# Altium PCB 2-quilter-output.PcbDoc (part 22 of 26)
Units mil, origin at the board's own origin, x right, y up, seen from the top; angles counter-clockwise.
Board outline 4130.55 x 4250 mil, 8 copper layers (L1, Ground L2, L3, Power L4, Ground L5, L6, Ground L7, L8), stack 62.985 mil thick; 591 components, 494 nets, 2245 pads, 1508 vias.
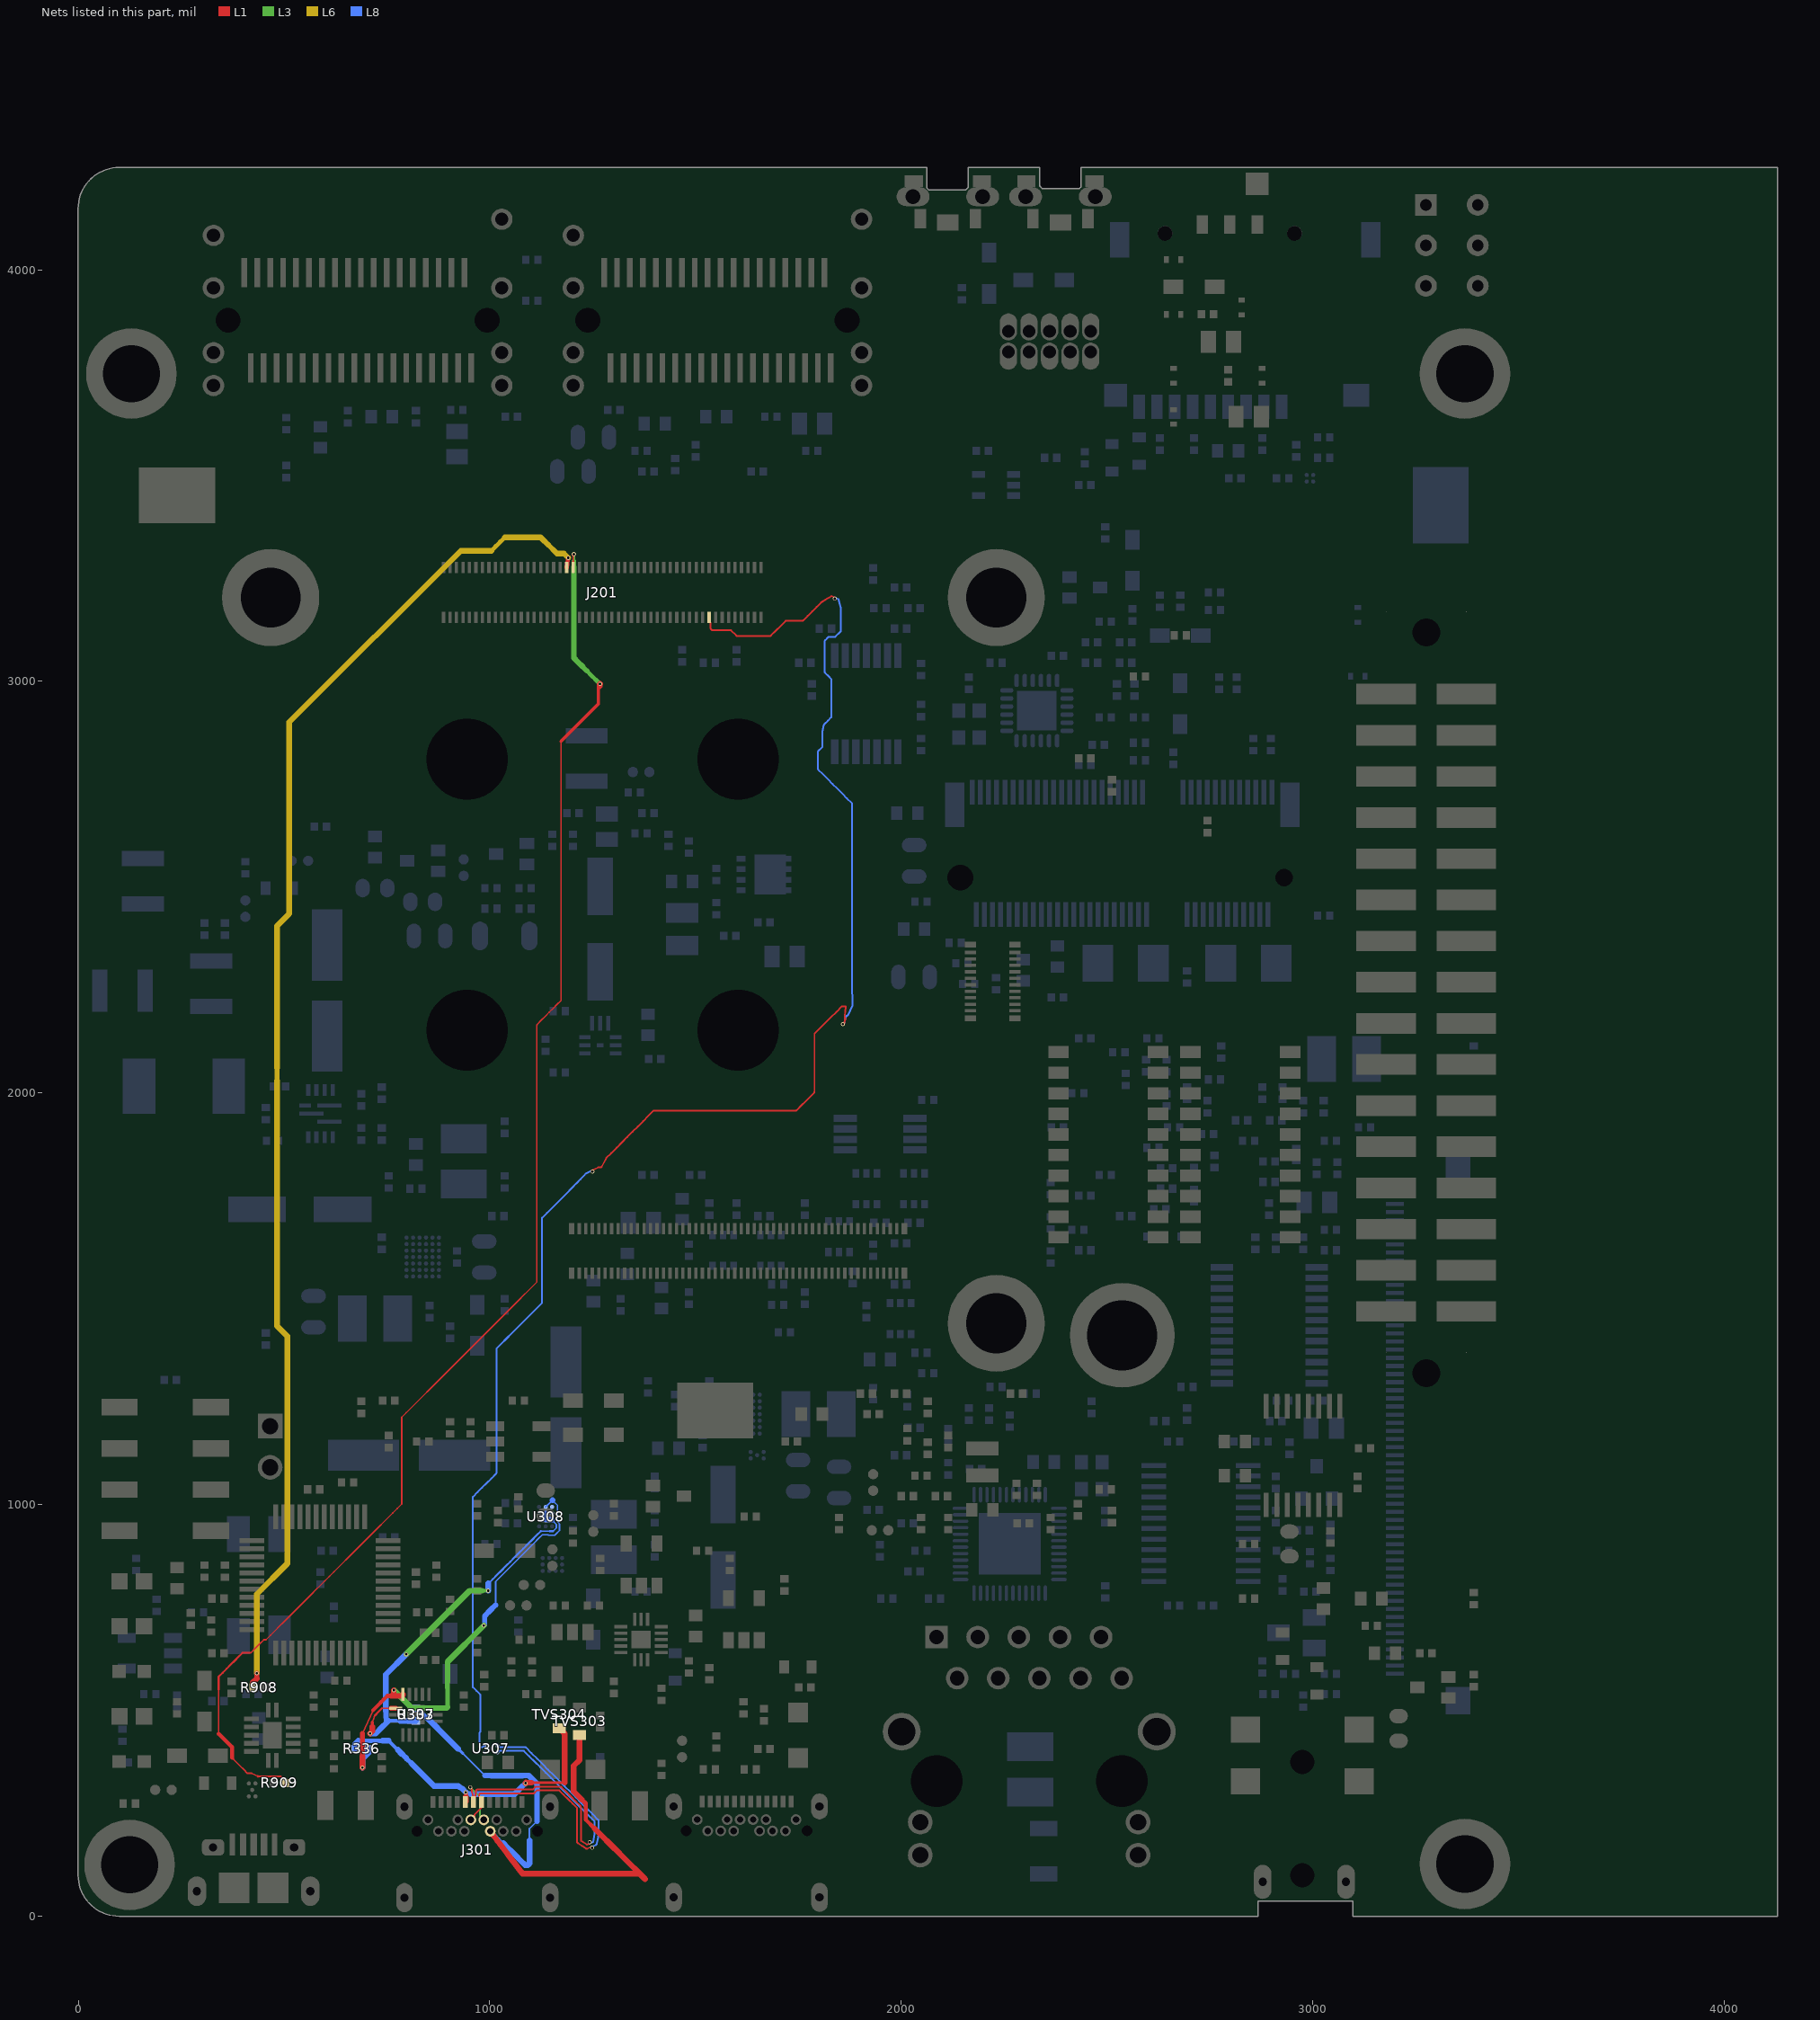
[diagram p28: the nets of this part, all layers, seen from the top]

## Via types
v1: diameter 9.85, hole 5.91, L1 to L8, tented both sides, 1508 vias

## Nets (pads, with @x,y where several pads share a name; then routed paths per layer and width w, separated by ;. In a path a pad name is that pad's centre, name@x,y a point inside that pad or via, vN(x,y) a via of type N, cw(c..) or ccw(c..) an arc to the next point about the centre after c; other vN are vias at no path point) (continued)
UART4_RXD: J201.40 R908.2 | length 3312.5
  L1 w7.92: v1@1189.84,3296.15 1191.11,3297.42 v1(1191.11,3300.04)
  L1 w9.96: J201.40@1188.43,3286.28 v1@1189.84,3296.15
  L1 w10.99: J201.40@1187.02,3276.42 J201.40@1188.43,3286.28
  L1 w12.01: 434,576.65 v1(434,589.58)
  L1 w14.05: R908.2@424.47,554.96 424.47,567.12 434,576.65
  L6 w10.99: 1004.04,3317.31 1014.97,3328.23 1025.89,3339.15 1036.81,3350.08
  L6 w12.01: 482.81,2029.04 482.81,2044.7 482.81,2060.37 ; 1143.62,3330.29 1153.51,3320.39
  L6 w13.03: 1133.73,3340.18 1143.62,3330.29 ; 1153.51,3320.39 1163.41,3310.5 ; 1180.65,3310.5 v1(1191.11,3300.04)
  L6 w14.05: v1(434,589.58) 434,781.63 507.91,855.55 507.91,1408.63 482.81,1433.73 482.81,1449.4 482.81,1465.06 482.81,1480.73 482.81,1496.39 482.81,1512.06 482.81,1527.73 482.81,1543.39 482.81,1559.06 482.81,1574.72 482.81,1590.39 482.81,1606.06 482.81,1621.72 482.81,1637.39 482.81,1653.05 482.81,1668.72 482.81,1684.39 482.81,1700.05 482.81,1715.72 482.81,1731.38 482.81,1747.05 482.81,1762.72 482.81,1778.38 482.81,1794.05 482.81,1809.71 482.81,1825.38 482.81,1841.05 482.81,1856.71 482.81,1872.38 482.81,1888.04 482.81,1903.71 482.81,1919.38 482.81,1935.04 482.81,1950.71 482.81,1966.37 482.81,1982.04 482.81,1997.71 482.81,2013.37 482.81,2029.04 ; 482.81,2060.37 482.81,2076.03 482.81,2091.7 482.81,2107.37 482.81,2123.03 482.81,2138.7 482.81,2154.36 482.81,2170.03 482.81,2185.7 482.81,2201.36 482.81,2217.03 482.81,2232.69 482.81,2248.36 482.81,2264.03 482.81,2279.69 482.81,2295.36 482.81,2311.02 482.81,2326.69 482.81,2342.36 482.81,2358.02 482.81,2373.69 482.81,2389.35 482.81,2405.02 512.94,2435.15 512.94,2900.53 929.72,3317.31 1004.04,3317.31 ; 1036.81,3350.08 1123.83,3350.08 1133.73,3340.18 ; 1163.41,3310.5 1180.65,3310.5
UART4_TXD: J201.42 R909.2 | length 3553.7
  L1 w3.5: 421.53,346.27 429.34,342.44 436.67,338.85 ; 451.27,670.88 456.39,670.88 467.39,681.87 478.39,692.87 489.38,703.87 500.38,714.87 511.38,725.87 522.38,736.87 533.38,747.87 544.38,758.86 555.38,769.86 566.37,780.86 577.37,791.86 588.37,802.86 599.37,813.86 610.37,824.86 621.37,835.86 632.37,846.85 643.37,857.85 654.36,868.85 665.36,879.85 676.36,890.85 687.36,901.85 698.36,912.85 709.36,923.84 720.36,934.84 731.35,945.84 742.35,956.84 753.35,967.84 764.35,978.84 775.35,989.84 786.35,1000.84 786.35,1015.89 786.35,1030.95 786.35,1046.01 786.35,1061.06 786.35,1076.12 786.35,1091.18 786.35,1106.24 786.35,1121.29 786.35,1136.35 786.35,1151.41 786.35,1166.47 786.35,1181.52 786.35,1196.58 786.35,1211.64 797.3,1222.59 808.25,1233.54 819.2,1244.49 830.16,1255.44 841.11,1266.4 852.06,1277.35 863.01,1288.3 873.96,1299.25 884.92,1310.2 895.87,1321.16 906.82,1332.11 917.77,1343.06 928.72,1354.01 939.68,1364.96 950.63,1375.92 961.58,1386.87 972.53,1397.82 983.48,1408.77 994.43,1419.72 1005.39,1430.68 1016.34,1441.63 1027.29,1452.58 1038.24,1463.53 1049.19,1474.48 1060.15,1485.44 1071.1,1496.39 1082.05,1507.34 1093,1518.29 1103.95,1529.24 1114.91,1540.2 1114.91,1555.84 1114.91,1571.48 1114.91,1587.12 1114.91,1602.77 1114.91,1618.41 1114.91,1634.05 1114.91,1649.7 1114.91,1665.34 1114.91,1680.98 1114.91,1696.63 1114.91,1712.27 1114.91,1727.91 1114.91,1743.56 1114.91,1759.2 1114.91,1774.84 1114.91,1790.49 1114.91,1806.13 1114.91,1821.77 1114.91,1837.42 1114.91,1853.06 1114.91,1868.7 1114.91,1884.35 1114.91,1899.99 1114.91,1915.63 1114.91,1931.28 1114.91,1946.92 1114.91,1962.56 1114.91,1978.21 1114.91,1993.85 1114.91,2009.49 1114.91,2025.14 1114.91,2040.78 1114.91,2056.42 1114.91,2072.07 1114.91,2087.71 1114.91,2103.35 1114.91,2119 1114.91,2134.64 1114.91,2150.28 1114.91,2164.95 ; 1114.95,2165.97 1125.53,2176.55 1135.09,2186.11 1144.65,2195.67 1154.2,2205.23 1163.76,2214.79 1173.32,2224.35 1173.32,2240.09 1173.32,2255.84 1173.32,2271.59 1173.32,2287.33 1173.32,2303.08 1173.32,2318.83 1173.32,2334.57 1173.32,2350.32 1173.32,2366.07 1173.32,2381.81 1173.32,2397.56 1173.32,2413.3 1173.32,2429.05 1173.32,2444.8 1173.32,2460.54 1173.32,2476.29 1173.32,2492.04 1173.32,2507.78 1173.32,2523.53 1173.32,2539.28 1173.32,2555.02 1173.32,2570.77 1173.32,2586.52 1173.32,2602.26 1173.32,2618.01 1173.32,2633.75 1173.32,2649.5 1173.32,2665.25 1173.32,2680.99 1173.32,2696.74 1173.32,2712.49 1173.32,2728.23 1173.32,2743.98 1173.32,2759.73 1173.32,2775.47 1173.32,2791.22 1173.32,2806.97 1173.32,2822.71 1173.32,2838.46 1173.32,2854.2
  L1 w3.83: 341.25,442.41 341.25,457.82 341.25,473.23 341.25,488.64 341.25,504.05 341.25,519.46 341.25,534.87 341.25,550.28 ; 373.79,383.94 383.21,374.52 392.63,365.1 402.05,355.68 411.47,346.27 421.53,346.27 ; 419.29,638.9 429.95,649.55 440.6,660.21 451.26,670.87 ; 436.67,338.86 451.1,338.86 464.84,338.86 478.58,338.86 492.32,338.86 498.04,333.13 ; 1114.91,2164.95 1114.95,2164.99 1114.95,2165.97 ; 1202.78,3291.74 v1@1202.78,3307.06
  L1 w4.85: 341.25,550.28 341.25,565.69 341.25,581.1 350.88,590.73 360.51,600.36 370.14,609.99 379.77,619.63 389.41,629.26 399.04,638.89 409.17,638.9 419.29,638.9 ; 498.04,333.13 R909.2@503.76,327.41
  L1 w5.87: J201.42@1202.76,3276.42 1202.78,3291.74
  L1 w6.9: 1264.32,2958.58 1264.32,2971.95 1264.32,2985.33
  L1 w7.92: 1173.32,2854.2 1183.43,2864.32 1193.54,2874.43 1203.65,2884.54 1213.76,2894.65 1223.88,2904.76 1233.99,2914.87 1244.1,2924.98 1254.21,2935.09 1264.32,2945.2 1264.32,2958.58 ; v1@1202.78,3307.06 v1(1204.64,3308.93) ; 1264.32,2985.33 1267.39,2988.41
  L1 w9.96: 341.25,442.41 352.1,431.56 362.94,420.71 373.79,409.87 373.79,396.9 373.79,383.94
  L1 w14.05: R909.2@503.75,322.52 R909.2@503.76,327.41 ; 1267.39,2988.41 1267.39,2992.66 v1(1268.11,2993.37)
  L3 w6.9: 1204.64,3293.17 v1(1204.64,3308.93)
  L3 w9.96: 1204.64,3277.41 1204.64,3293.17 ; 1236.37,3025.11 1246.95,3014.53 1257.53,3003.95
  L3 w10.99: 1257.53,3003.95 v1(1268.11,2993.37)
  L3 w12.01: 1225.8,3035.68 1236.37,3025.11
  L3 w14.05: 1204.64,3277.41 1204.64,3261.66 1204.64,3245.9 1204.64,3230.15 1204.64,3214.39 1204.64,3198.64 1204.64,3182.88 1204.64,3167.13 1204.64,3151.37 1204.64,3135.62 1204.64,3119.86 1204.64,3104.1 1204.64,3088.35 1204.64,3072.59 1204.64,3056.84 1215.22,3046.26 1225.8,3035.68
USB1_CC1: R336.2 U303.13 U308.A2 | length 1117
  L1 w3.5: 690.41,442.78 696.97,457.01 703.52,471.24 710.08,485.47 716.63,499.7
  L1 w8.94: 716.63,499.7 725.3,508.36 733.96,517.02
  L1 w9.96: 733.96,517.02 742.62,525.69 751.29,534.35 760.74,534.35
  L1 w12.01: 690.41,387.5 690.41,401.32 690.41,415.14 690.41,428.96 690.41,442.78
  L1 w13.03: 767.04,537.5 v1(767.04,548.38)
  L1 w14.05: v1(690.41,359.85) 690.41,373.67 690.41,387.5 ; 760.74,534.35 770.19,534.35 ; 767.04,537.5 770.19,534.35 ; U303.13@789.26,537.75 787.58,534.35 770.2,534.35
  L3 w10.99: 897.65,507.29 897.65,523 897.65,538.71 897.65,554.43
  L3 w12.01: 897.65,554.43 897.65,570.14
  L3 w14.05: v1(767.04,548.38) 810.57,504.85 895.22,504.85 897.65,507.28 ; 897.65,570.14 897.65,585.85 897.65,601.56 897.65,617.27 v1(985.8,705.42)
  L8 w3.5: 1014.67,755.39 1014.67,769.65 1014.67,783.9 1014.67,798.15 1014.67,812.4 1025.01,822.74 1035.35,833.08 1045.69,843.42 1056.03,853.76 1066.37,864.1 1076.71,874.44 1087.05,884.77 1097.39,895.11 1107.73,905.45 1118.07,915.79 1128.41,926.13 1141.48,926.13 ; 1139.51,997.15 1145.97,1003.61 1152.43,1010.07 1158.78,1003.73 1165.12,997.39 1165.12,984.69 1165.12,971.99 1165.12,959.28 1169.75,952.09 ; 1169.77,936.21 1169.77,943.28 1169.77,952.07
  L8 w3.83: 1141.5,926.14 1142.95,924.69 1151.46,924.69 1158.25,924.69 1164.01,930.45 1169.77,936.21
  L8 w4.85: U308.A2@1135.95,993.6 1139.51,997.15
  L8 w8.94: v1(985.8,705.42) v1@987.83,707.46
  L8 w13.03: v1@987.83,707.46 987.83,718 987.83,728.55 996.78,737.5 ; 1005.72,746.45 1014.67,755.39
  L8 w14.05: v1(690.41,359.85) 690.41,380.94 705.62,396.16 R336.2@702.82,405.53 ; 996.78,737.5 1005.72,746.45
USB1_CC1_CN: J301.A5 R336.1 TVS304.2 U308.A1 | length 758.8
  L1 w6.9: 1102.29,323.72 1116.08,323.72 1129.87,323.72 1143.67,323.72 1157.46,323.72 1171.25,323.72 1182.36,323.72
  L1 w8.94: J301.A5@942.07,289.33 v1(942.07,300.26)
  L1 w12.01: J301.A5@940.41,276.76 J301.A5@942.07,278.41
  L1 w13.03: v1@1088.49,323.72 1102.29,323.72
  L1 w14.05: J301.A5@942.07,278.41 J301.A5@942.07,289.33 ; v1(1086.95,322.17) v1@1088.49,323.72 ; TVS304.2@1168.9,455.41 1182.63,441.7 1182.63,323.99 1182.36,323.72
  L8 w7.92: 935.44,307.38 945.07,301.38 953.69,296.01
  L8 w8.94: 754.58,425.43 765.56,414.45 776.54,403.47
  L8 w10.99: 681.08,425.43 695.78,425.43 710.48,425.43 725.18,425.43 739.88,425.43 ; 798.49,381.52 809.47,370.54
  L8 w13.03: 787.51,392.5 798.49,381.52 ; 935.44,306.89 v1(942.07,300.26) ; 1077.62,312.85 v1(1086.95,322.17)
  L8 w14.05: R336.1@673.29,405.53 673.29,417.64 681.08,425.43 ; 739.88,425.43 754.58,425.43 ; 776.54,403.47 787.51,392.5 ; 809.47,370.54 820.45,359.56 831.42,348.58 842.4,337.61 853.38,326.63 864.36,315.65 923.65,315.65 924.78,314.52 935.44,307.38 935.44,306.89 ; 953.69,296.01 1060.78,296.01 1068.29,303.52 1077.62,312.85
USB1_CC2: R337.2 U303.14 U308.B2 U308.C1 U308.C2 | length 976.3
  L1 w3.5: 714.93,470.55 717.76,478.49 720.59,486.43
  L1 w3.83: 738.43,504.27 749.47,504.27 U303.14@760.51,504.27
  L1 w4.85: 720.59,486.43 729.51,495.35 738.43,504.27
  L1 w7.92: 714.93,459.58 714.93,470.55
  L1 w10.99: U303.14@760.51,504.27 U303.14@771.55,504.29
  L1 w14.05: v1(709.33,443.01) 714.93,448.61 714.93,459.58
  L3 w7.92: 981.64,789.9 v1(996.84,789.9)
  L3 w14.05: v1(797.2,635.87) 951.23,789.9 966.44,789.9 981.64,789.9
  L8 w3.5: 1124.14,934.75 1135.16,934.75 1146.17,934.75 ; 1154.44,934.49 1162.05,942.09 1162.05,951 1155.6,957.45
  L8 w3.83: 1155.6,957.45 1155.6,958.22
  L8 w4.85: 996.85,807.46 1007.45,818.06 1018.06,828.67 1028.67,839.28 1039.28,849.89 1049.88,860.49 1060.49,871.1 1071.1,881.71 1081.71,892.32 1092.32,902.92 1102.92,913.53 1113.53,924.14 1124.14,934.75 ; 1146.18,934.75 1146.44,934.49 1154.44,934.49 ; U308.C1@1151.7,962.11 1155.26,958.56 1155.6,958.22
  L8 w8.94: 754.18,473.92 768.32,473.92 782.46,473.92
  L8 w10.99: 747.63,467.36 747.63,482.23
  L8 w12.01: 1135.94,967.13 U308.C2@1135.95,962.11 1140.98,962.13 ; 1135.94,972.83 U308.B2@1135.95,977.85 ; 1146.65,962.13 U308.C1@1151.7,962.11
  L8 w13.03: v1(709.33,443.01) 723.28,443.01 731.39,451.13 ; 747.63,482.23 747.63,497.1 ; 1135.94,967.13 1135.94,972.83 ; 1140.98,962.13 1146.65,962.13
  L8 w14.05: 731.39,451.13 739.51,459.24 747.63,467.36 754.18,473.92 ; 747.63,497.1 747.63,511.96 747.63,526.83 747.63,541.7 747.63,556.56 747.63,571.43 747.63,586.3 v1(797.2,635.87) ; 782.46,473.92 796.61,473.92 810.75,473.92 R337.2@820.75,473.78 ; v1(996.84,789.9) 996.85,807.46
USB1_CC2_CN: J301.B5 R337.1 TVS303.2 U308.B1 | length 1560.5
  L1 w8.94: 1233.23,233.8 1244.32,222.71
  L1 w9.96: 1233.23,233.8 1233.23,246.91 1233.23,260.02 1233.23,273.13 ; 1244.32,222.71 1255.41,211.62
  L1 w10.99: 1223.62,282.74 1233.23,273.13
  L1 w13.03: 1010.11,194.04 1018.78,182.6
  L1 w14.05: J301.B5@1001.43,205.48 1010.11,194.04 ; 1018.78,182.6 1027.45,171.17 1036.12,159.74 1044.8,148.3 1053.47,136.87 1062.14,125.43 1070.81,114 1079.48,102.57 1364.45,102.56 1377.4,89.61 1366.32,100.71 1355.23,111.8 1344.14,122.89 1333.05,133.98 1321.96,145.07 1310.87,156.17 1299.78,167.26 1288.69,178.35 1277.59,189.44 1266.5,200.53 1255.41,211.62 ; TVS303.2@1218.67,438.81 1218.68,378.65 1204.39,364.36 1204.39,301.96 1214.01,292.35 1223.62,282.74
  L8 w3.5: 1096.66,211.57 1106.09,221 1115.08,229.99
  L8 w3.83: R337.1@825.74,503.23 836.59,492.38 ; 934.23,394.73 945.08,383.88 955.93,373.04 966.78,362.19 977.63,351.34 988.48,340.49
  L8 w4.85: 1096.66,183.37 1096.66,197.47 1096.66,211.57
  L8 w5.87: 1011.97,197.52 1022.55,186.94 1033.14,176.35
  L8 w6.9: J301.B5@1001.43,205.48 1011.97,197.52
  L8 w7.92: 923.38,405.58 934.23,394.73
  L8 w8.94: 836.59,492.38 847.44,481.53
  L8 w13.03: 988.48,340.49 1003.73,340.49 ; 1080.01,340.49 1095.26,340.49
  L8 w14.05: R337.1@820.75,503.29 R337.1@825.74,503.23 ; 847.44,481.53 858.29,470.68 869.14,459.83 879.99,448.98 890.84,438.13 901.69,427.28 912.53,416.43 923.38,405.58 ; 1003.73,340.49 1018.99,340.49 1034.24,340.49 1049.5,340.49 1064.75,340.49 1080.01,340.49 ; 1033.14,176.35 1043.72,165.77 1054.3,155.19 1064.89,144.6 1075.47,134.02 1086.05,123.44 1093.13,123.43 1096.66,126.95 1096.66,141.06 1096.66,155.16 1096.66,169.27 1096.66,183.37 ; 1095.26,340.49 1115.08,320.67 1115.08,229.99
USB1_CN_DN: J301.A7 J301.B7 U307.A2 | length 856
  L1 w4.28: J301.B7@954.17,233.05 963.43,242.3 963.43,246.4 971.6,254.58 979.78,262.76 979.78,276.75 974.57,290.36 975.17,297.62 993.88,297.62 1012.59,297.62 1031.3,297.62 1050.02,297.62 1068.73,297.62 1087.44,297.62 1106.15,297.62 1106.28,297.62 1106.4,297.63 1106.52,297.64 1106.64,297.65 1106.76,297.66 1106.88,297.68 1107,297.7 1107.12,297.72 1107.24,297.75 1107.36,297.78 1107.48,297.82 1107.59,297.85 1107.71,297.89 1107.82,297.93 1107.94,297.98 1108.05,298.03 1108.16,298.08 1108.27,298.13 1108.38,298.19 1108.48,298.25 1108.59,298.31 1108.69,298.38 1108.79,298.44 1108.89,298.52 1108.99,298.59 1109.08,298.66 1109.18,298.74 1109.27,298.82 1109.36,298.91 1109.43,298.98 1114.88,304.43 1133.12,304.43 1151.35,304.43 1169.59,304.43 1180.28,293.74 1190.97,283.04 1201.66,272.35 1212.36,261.66 1212.36,245.38 1212.36,229.09 1212.36,212.8 1212.36,196.52 1212.36,180.23 1212.36,180.11 1212.36,179.99 1212.37,179.87 1212.38,179.75 1212.4,179.63 1212.41,179.51 1212.43,179.38 1212.46,179.27 1212.49,179.15 1212.52,179.03 1212.55,178.91 1212.59,178.79 1212.62,178.68 1212.67,178.56 1212.71,178.45 1212.76,178.34 1212.81,178.23 1212.87,178.12 1212.92,178.01 1212.98,177.91 1213.05,177.8 1213.11,177.7 1213.18,177.6 1213.25,177.5 1213.32,177.4 1213.4,177.3 1213.48,177.21 1213.56,177.12 1213.64,177.03 1213.73,176.94 1213.81,176.86 1213.9,176.78 1214,176.7 1214.09,176.62 1214.19,176.54 1214.28,176.47 1214.38,176.4 1214.48,176.33 1215.6,175.61 1224.52,169.73 1233.44,163.85 1233.54,163.79 1233.65,163.72 1233.75,163.66 1233.86,163.61 1233.97,163.55 1234.08,163.5 1234.19,163.45 1234.31,163.41 1234.42,163.36 1234.54,163.32 1234.65,163.29 1234.77,163.25 1234.89,163.22 1235.01,163.19 1235.13,163.17 1235.25,163.15 1235.37,163.13 1235.49,163.11 1235.61,163.1 1235.73,163.09 1235.85,163.09 1235.97,163.09 1236.1,163.09 1236.22,163.09 1236.34,163.1 1236.46,163.11 1236.58,163.12 1236.7,163.14 1236.82,163.16 1236.94,163.18 1237.06,163.21 1237.18,163.24 1237.3,163.27 1237.41,163.31 1237.53,163.35 1237.64,163.39 1237.76,163.43 1237.82,163.46 1247.77,167.71 v1(1248.86,165.14)
  L8 w4.28: U307.A2@1018.99,413.4 1024.03,410.15 1036.22,410.1 1052.49,410.1 1068.77,410.1 1085.04,410.1 1085.14,410.1 1085.27,410.1 1085.39,410.09 1085.51,410.08 1085.63,410.07 1085.75,410.05 1085.87,410.03 1085.99,410.01 1086.11,409.98 1086.23,409.95 1086.35,409.92 1086.46,409.88 1086.58,409.84 1086.69,409.8 1086.81,409.75 1086.92,409.71 1087.03,409.66 1087.14,409.6 1087.25,409.54 1087.35,409.49 1087.46,409.42 1087.56,409.36 1087.66,409.29 1087.76,409.22 1087.86,409.15 1087.96,409.07 1088.05,408.99 1088.14,408.91 1088.23,408.83 1088.32,408.75 1101.77,395.29 1115.23,381.84 1128.68,368.38 1142.14,354.93 1155.59,341.47 1169.05,328.02 1182.5,314.56 1195.96,301.11 1209.41,287.65 1222.87,274.2 1236.32,260.74 1249.78,247.29 1263.23,233.83 1263.31,233.76 1263.39,233.67 1263.47,233.58 1263.55,233.48 1263.62,233.39 1263.7,233.29 1263.77,233.19 1263.84,233.09 1263.9,232.99 1263.96,232.88 1264.02,232.77 1264.08,232.67 1264.13,232.56 1264.19,232.45 1264.23,232.33 1264.28,232.22 1264.32,232.11 1264.36,231.99 1264.4,231.88 1264.43,231.76 1264.46,231.64 1264.49,231.52 1264.51,231.4 1264.53,231.28 1264.55,231.16 1264.56,231.04 1264.58,230.92 1264.58,230.8 1264.59,230.67 1264.59,230.55 1264.59,214.58 1264.59,198.61 1264.59,198.54 1264.59,198.42 1264.58,198.3 1264.57,198.17 1264.56,198.05 1264.54,197.93 1264.52,197.81 1263.18,190.15 ; v1(1248.86,165.14) 1247.77,167.71 1257.73,171.95 1257.84,172 1257.95,172.05 1258.06,172.11 1258.16,172.17 1258.27,172.23 1258.37,172.29 1258.48,172.36 1258.58,172.43 1258.68,172.5 1258.77,172.57 1258.87,172.65 1258.96,172.73 1259.05,172.81 1259.14,172.89 1259.23,172.98 1259.31,173.07 1259.39,173.16 1259.47,173.25 1259.55,173.35 1259.62,173.44 1259.69,173.54 1259.76,173.64 1259.83,173.74 1259.89,173.85 1259.95,173.95 1260.01,174.06 1260.07,174.17 1260.12,174.28 1260.17,174.39 1260.22,174.5 1260.26,174.62 1260.3,174.73 1260.34,174.85 1260.37,174.97 1260.4,175.08 1260.43,175.2 1260.46,175.32 1260.47,175.38 1263.17,190.12
USB1_CN_DP: J301.A6 J301.B6 U307.A1 | length 918.2
  L1 w4.28: v1(952.66,312.35) 956.37,308.64 956.37,301.64 960.1,290.75 960.1,276.75 965.32,291.13 966.27,302.65 966.28,302.72 966.29,302.84 966.31,302.96 966.33,303.08 966.35,303.2 966.38,303.32 966.41,303.44 966.44,303.56 966.48,303.67 966.52,303.79 966.56,303.9 966.6,304.02 966.65,304.13 966.7,304.24 966.75,304.35 966.81,304.46 966.87,304.57 966.93,304.67 967,304.77 967.06,304.88 967.13,304.98 967.21,305.07 967.28,305.17 967.36,305.26 967.44,305.36 967.52,305.45 967.61,305.53 967.69,305.62 967.78,305.7 967.87,305.78 967.97,305.86 968.06,305.94 968.16,306.01 968.26,306.08 968.36,306.15 968.47,306.21 968.57,306.28 968.68,306.34 968.78,306.39 968.89,306.45 969,306.5 969.12,306.55 969.23,306.59 969.34,306.63 969.46,306.67 969.58,306.71 969.69,306.74 969.81,306.77 969.93,306.8 970.05,306.82 970.17,306.84 970.29,306.86 970.41,306.88 970.53,306.89 970.65,306.9 970.78,306.9 970.9,306.9 989.95,306.9 1008.99,306.9 1028.04,306.9 1047.09,306.9 1066.14,306.9 1085.18,306.9 1104.23,306.9 1109.68,312.35 1109.76,312.43 1109.85,312.51 1109.94,312.59 1110.03,312.67 1110.13,312.74 1110.22,312.82 1110.32,312.89 1110.42,312.95 1110.53,313.02 1110.63,313.08 1110.74,313.14 1110.85,313.2 1110.96,313.25 1111.07,313.31 1111.18,313.35 1111.29,313.4 1111.41,313.44 1111.52,313.48 1111.64,313.52 1111.75,313.55 1111.87,313.58 1111.99,313.61 1112.11,313.63 1112.23,313.65 1112.35,313.67 1112.47,313.68 1112.59,313.69 1112.72,313.7 1112.84,313.71 1112.96,313.71 1127.6,313.71 1142.23,313.71 1156.87,313.71 1171.51,313.71 1171.62,313.71 1171.74,313.7 1171.86,313.7 1171.98,313.69 1172.1,313.67 1172.22,313.65 1172.34,313.63 1172.46,313.61 1172.58,313.58 1172.7,313.55 1172.82,313.52 1172.94,313.49 1173.05,313.45 1173.17,313.4 1173.28,313.36 1173.39,313.31 1173.5,313.26 1173.61,313.21 1173.72,313.15 1173.83,313.09 1173.93,313.03 1174.03,312.96 1174.13,312.9 1174.23,312.82 1174.33,312.75 1174.43,312.68 1174.52,312.6 1174.61,312.52 1174.7,312.44 1174.79,312.35 1186.16,300.98 1197.53,289.61 1208.91,278.24 1220.28,266.86 1220.35,266.79 1220.44,266.7 1220.52,266.61 1220.59,266.51 1220.67,266.42 1220.74,266.32 1220.81,266.22 1220.88,266.12 1220.95,266.02 1221.01,265.91 1221.07,265.8 1221.13,265.7 1221.18,265.59 1221.23,265.48 1221.28,265.37 1221.33,265.25 1221.37,265.14 1221.41,265.02 1221.44,264.91 1221.48,264.79 1221.51,264.67 1221.53,264.55 1221.56,264.43 1221.58,264.31 1221.6,264.19 1221.61,264.07 1221.62,263.95 1221.63,263.83 1221.63,263.7 1221.64,263.58 1221.64,247.42 1221.64,231.25 1221.64,215.08 1221.64,198.92 1221.64,182.75 1236.47,172.97 1244.13,176.24 v1(1243.04,178.8)
  L3 w4.33: v1(952.66,312.35) 964.55,300.46 976.44,288.57 976.44,273.15 976.44,257.73 976.44,242.3 J301.B6@985.69,233.05
  L8 w4.28: U307.A1@1018.99,397.66 1024,400.87 1036.19,400.82 1051.83,400.82 1067.47,400.82 1083.12,400.82 1096.36,387.58 1109.61,374.33 1122.85,361.09 1136.1,347.84 1149.34,334.6 1162.59,321.35 1175.84,308.1 1189.08,294.86 1202.33,281.61 1215.57,268.37 1228.82,255.12 1242.06,241.88 1255.31,228.63 1255.31,213.82 1255.31,199.01 1254.05,191.79 1251.79,179.51 1244.13,176.24 v1(1243.04,178.8)
USB1_DN: J201.83 U307.C2 | length 3978.1
  L1 w4.28: v1(1249.63,1808.66) 1248.41,1811.16 1263.32,1818.49 1268.69,1818.54 1268.81,1818.54 1268.93,1818.54 1269.05,1818.55 1269.17,1818.57 1269.29,1818.58 1269.41,1818.6 1269.53,1818.62 1269.65,1818.65 1269.77,1818.67 1269.89,1818.71 1270.01,1818.74 1270.12,1818.78 1270.24,1818.82 1270.35,1818.86 1270.47,1818.91 1270.58,1818.96 1270.69,1819.01 1270.8,1819.06 1270.9,1819.12 1271.01,1819.18 1271.11,1819.25 1271.22,1819.31 1271.32,1819.38 1271.42,1819.45 1271.51,1819.53 1271.61,1819.6 1271.7,1819.68 1271.79,1819.76 1271.88,1819.85 1271.97,1819.93 1272.05,1820.02 1272.13,1820.11 1272.21,1820.2 1272.29,1820.3 1272.36,1820.4 1272.43,1820.49 1272.5,1820.6 1272.57,1820.7 1272.63,1820.8 1272.69,1820.91 1272.75,1821.01 ; 1272.77,1821.06 1277.32,1829.93 1281.87,1838.79 1281.92,1838.9 ; 1281.94,1838.94 1282.86,1840.89 1295.74,1853.78 1308.63,1866.66 1321.51,1879.54 1334.39,1892.43 1347.28,1905.31 1360.16,1918.19 1373.05,1931.08 1385.93,1943.96 1398.81,1956.85 1416.96,1956.85 1435.11,1956.85 1453.27,1956.85 1471.42,1956.85 1489.57,1956.85 1507.72,1956.85 1525.87,1956.85 1544.02,1956.85 1562.17,1956.85 1580.32,1956.85 1598.47,1956.85 1616.62,1956.85 1634.77,1956.85 1652.92,1956.85 1671.08,1956.85 1689.23,1956.85 1707.38,1956.85 1725.53,1956.85 1743.68,1956.85 1743.8,1956.85 1743.92,1956.85 1744.04,1956.86 1744.17,1956.87 1744.29,1956.89 1744.41,1956.9 1744.53,1956.92 1744.65,1956.95 1744.77,1956.98 1744.88,1957.01 1745,1957.04 1745.12,1957.07 1745.23,1957.11 1745.35,1957.16 1745.46,1957.2 1745.57,1957.25 1745.68,1957.3 1745.79,1957.36 1745.9,1957.41 1746.01,1957.47 1746.11,1957.54 1746.21,1957.6 1746.32,1957.67 1746.42,1957.74 1746.51,1957.81 1746.61,1957.89 1746.7,1957.97 1746.79,1958.05 1746.88,1958.13 1746.96,1958.2 1757.27,1968.52 1767.58,1978.83 1777.89,1989.14 1788.21,1999.45 1788.29,1999.54 1788.37,1999.63 1788.45,1999.72 1788.53,1999.81 1788.61,1999.91 1788.68,2000.01 1788.75,2000.11 1788.82,2000.21 1788.88,2000.31 1788.94,2000.42 1789,2000.52 1789.06,2000.63 1789.11,2000.74 1789.17,2000.85 1789.21,2000.96 1789.26,2001.08 1789.3,2001.19 1789.34,2001.31 1789.38,2001.42 1789.41,2001.54 1789.44,2001.66 1789.46,2001.78 1789.49,2001.9 1789.51,2002.02 1789.53,2002.14 1789.54,2002.26 1789.55,2002.38 1789.56,2002.5 1789.56,2002.62 1789.56,2002.73 1789.56,2020.36 1789.56,2037.98 1789.56,2055.61 1789.56,2073.24 1789.56,2090.86 1789.56,2108.49 1789.56,2126.12 1789.56,2143.74 1802.82,2157 1816.08,2170.26 1829.34,2183.52 1842.6,2196.78 1855.86,2210.03 1865.47,2210.03 1864.13,2197.35 1862.79,2184.67 1862.78,2184.55 1862.77,2184.43 1862.77,2184.3 1862.76,2184.18 1862.77,2184.06 1862.77,2183.94 1862.78,2183.82 1862.79,2183.69 1862.8,2183.57 1862.82,2183.45 1862.84,2183.33 1862.87,2183.21 1862.89,2183.09 1862.92,2182.98 1862.96,2182.86 1862.99,2182.74 1863.03,2182.63 1863.07,2182.51 1863.12,2182.4 1863.17,2182.29 1863.22,2182.18 1863.27,2182.07 1863.33,2181.96 1863.39,2181.85 1863.45,2181.75 1863.52,2181.65 1863.59,2181.54 1863.66,2181.44 1863.73,2181.35 1863.81,2181.25 1863.88,2181.16 1863.96,2181.07 1864.05,2180.98 1864.13,2180.89 1864.22,2180.81 1864.31,2180.72 1864.4,2180.64 1864.5,2180.57 1864.59,2180.49 1864.69,2180.42 1864.79,2180.35 ; J201.83@1533.47,3155.16 1536.72,3141.15 1536.69,3130.19 1536.69,3130.07 1536.7,3129.95 1536.7,3129.83 1536.72,3129.71 1536.73,3129.58 1536.75,3129.46 1536.77,3129.34 1536.79,3129.22 1536.82,3129.1 1536.85,3128.99 1536.88,3128.87 1536.92,3128.75 1536.96,3128.64 1537,3128.52 1537.04,3128.41 1537.09,3128.3 1537.14,3128.19 1537.2,3128.08 1537.25,3127.97 1537.31,3127.86 1537.37,3127.76 1537.44,3127.65 1537.51,3127.55 1537.58,3127.45 1537.65,3127.36 1537.73,3127.26 1537.8,3127.17 1537.88,3127.07 1537.97,3126.98 1538.05,3126.9 1539.61,3125.34 1539.7,3125.25 1539.79,3125.17 1539.88,3125.09 1539.97,3125.01 1540.07,3124.94 1540.16,3124.86 1540.26,3124.79 1540.37,3124.72 1540.47,3124.66 1540.57,3124.6 1540.68,3124.54 1540.79,3124.48 1540.9,3124.43 1541.01,3124.38 1541.12,3124.33 1541.23,3124.28 1541.35,3124.24 1541.46,3124.2 1541.58,3124.16 1541.7,3124.13 1541.82,3124.1 1541.93,3124.08 1542.05,3124.05 1542.17,3124.03 1542.29,3124.01 1542.42,3124 1542.54,3123.99 1542.66,3123.98 1542.78,3123.98 1542.89,3123.97 1557.5,3123.97 1572.11,3123.97 1586.72,3123.97 1599.44,3111.25 1599.53,3111.17 1599.62,3111.08 1599.71,3111 1599.8,3110.92 1599.9,3110.85 1600,3110.78 1600.1,3110.71 1600.2,3110.64 1600.3,3110.57 1600.41,3110.51 1600.51,3110.45 1600.62,3110.39 1600.73,3110.34 1600.84,3110.29 1600.95,3110.24 1601.07,3110.2 1601.18,3110.16 1601.3,3110.12 1601.41,3110.08 1601.53,3110.05 1601.65,3110.02 1601.77,3109.99 1601.89,3109.97 1602.01,3109.95 1602.13,3109.93 1602.25,3109.92 1602.37,3109.91 1602.49,3109.9 1602.61,3109.89 1602.72,3109.89 1618.3,3109.89 1633.89,3109.89 1649.47,3109.89 1665.05,3109.89 1680.64,3109.89 1680.76,3109.89 1680.88,3109.9 1681,3109.91 1681.12,3109.92 1681.24,3109.93 1681.37,3109.95 1681.48,3109.97 1681.6,3109.99 1681.72,3110.02 1681.84,3110.05 1681.96,3110.08 1682.08,3110.12 1682.19,3110.16 1682.31,3110.2 1682.42,3110.25 1682.53,3110.3 1682.64,3110.35 1682.75,3110.4 1682.86,3110.46 1682.96,3110.52 1683.07,3110.58 1683.17,3110.65 1683.27,3110.71 1683.37,3110.78 1683.47,3110.86 1683.57,3110.93 1683.66,3111.01 1683.75,3111.09 1683.84,3111.18 1683.92,3111.25 1695.79,3123.12 1707.66,3134.99 1719.53,3146.86 1732.64,3146.86 1745.75,3146.86 1758.86,3146.86 1758.98,3146.86 1759.1,3146.87 1759.22,3146.88 1759.35,3146.89 1759.47,3146.9 1759.59,3146.92 1759.71,3146.94 1759.83,3146.96 1759.95,3146.99 1760.06,3147.02 1760.18,3147.05 1760.3,3147.09 1760.41,3147.13 1760.53,3147.17 1760.64,3147.22 1760.75,3147.26 1760.86,3147.32 1760.97,3147.37 1761.08,3147.43 1761.19,3147.49 1761.29,3147.55 1761.39,3147.62 1761.5,3147.68 1761.6,3147.75 1761.69,3147.83 1761.79,3147.9 1761.88,3147.98 1761.97,3148.06 1762.06,3148.14 1762.14,3148.22 1773.06,3159.14 1783.97,3170.05 1794.89,3180.97 1805.81,3191.89 1821.82,3201.53 ; 1821.8,3201.52 1830.93,3206.96 1839.5,3203.35 v1(1838.42,3200.78) ; v1(1858.18,2166.65) 1860.87,2165.91 1864.82,2180.32
  L8 w4.28: U307.C2@987.49,413.4 982.44,410.15 975.56,410.15 975.34,410.36 975.34,427.7 975.34,445.04 976.49,446.18 976.57,446.27 976.66,446.36 976.74,446.45 976.81,446.55 976.89,446.64 976.96,446.74 977.03,446.84 977.1,446.94 977.16,447.04 977.23,447.15 977.29,447.26 977.34,447.36 977.4,447.47 977.45,447.58 977.5,447.7 977.54,447.81 977.58,447.92 977.62,448.04 977.66,448.16 977.69,448.27 977.72,448.39 977.75,448.51 977.77,448.63 977.79,448.75 977.81,448.87 977.82,448.99 977.83,449.12 977.84,449.24 977.84,449.36 977.85,449.47 977.85,466.55 977.85,483.63 977.85,500.72 977.85,517.8 977.85,534.89 977.84,535.01 977.84,535.13 977.83,535.25 977.82,535.37 977.81,535.5 977.79,535.62 977.77,535.74 977.74,535.86 977.72,535.98 977.69,536.09 977.65,536.21 977.62,536.33 977.58,536.44 977.54,536.56 977.49,536.67 977.44,536.78 977.39,536.89 977.34,537 977.28,537.11 977.22,537.22 977.16,537.32 977.09,537.42 977.02,537.53 976.95,537.62 976.88,537.72 976.8,537.82 976.73,537.91 976.64,538 976.56,538.09 976.49,538.17 967.88,546.78 959.26,555.39 959.26,573.9 959.26,592.41 959.26,610.92 959.26,629.43 959.26,647.93 959.26,666.44 959.26,684.95 959.26,703.46 959.26,721.97 959.26,740.48 959.26,758.99 959.26,777.49 959.26,796 959.26,814.51 959.26,833.02 959.26,851.53 959.26,870.04 959.26,888.55 959.26,907.05 959.26,925.56 959.26,944.07 959.26,962.58 959.26,981.09 959.26,999.6 959.26,1018.11 970.43,1029.27 981.59,1040.43 992.75,1051.59 1003.91,1062.75 1015.07,1073.91 1015.16,1074 1015.24,1074.09 1015.32,1074.18 1015.4,1074.27 1015.47,1074.37 1015.55,1074.47 1015.62,1074.57 1015.68,1074.67 1015.75,1074.77 1015.81,1074.88 1015.87,1074.98 1015.93,1075.09 1015.98,1075.2 1016.03,1075.31 1016.08,1075.42 1016.12,1075.54 1016.17,1075.65 1016.21,1075.77 1016.24,1075.88 1016.27,1076 1016.3,1076.12 1016.33,1076.24 1016.35,1076.36 1016.37,1076.48 1016.39,1076.6 1016.41,1076.72 1016.42,1076.84 1016.42,1076.96 1016.43,1077.09 1016.43,1077.19 1016.43,1096.01 1016.43,1114.84 1016.43,1133.66 1016.43,1152.48 1016.43,1171.3 1016.43,1190.12 1016.43,1208.94 1016.43,1227.77 1016.43,1246.59 1016.43,1265.41 1016.43,1284.23 1016.43,1303.05 1016.43,1321.87 1016.43,1340.69 1016.43,1359.52 1016.43,1378.34 1028.61,1390.52 1040.79,1402.7 1052.97,1414.88 1065.15,1427.06 1077.33,1439.24 1089.51,1451.42 1101.69,1463.6 1113.88,1475.78 1126.06,1487.96 1126.14,1488.05 1126.22,1488.14 1126.3,1488.23 1126.38,1488.33 1126.46,1488.42 1126.53,1488.52 1126.6,1488.62 1126.67,1488.72 1126.73,1488.82 1126.8,1488.93 1126.86,1489.04 1126.91,1489.14 1126.97,1489.25 1127.02,1489.36 1127.06,1489.48 1127.11,1489.59 1127.15,1489.7 1127.19,1489.82 1127.23,1489.94 1127.26,1490.05 1127.29,1490.17 1127.32,1490.29 1127.34,1490.41 1127.36,1490.53 1127.38,1490.65 1127.39,1490.77 1127.4,1490.89 1127.41,1491.02 1127.41,1491.14 1127.41,1491.24 1127.41,1509.87 1127.41,1528.5 1127.41,1547.13 1127.41,1565.75 1127.41,1584.38 1127.41,1603.01 1127.41,1621.64 1127.41,1640.27 1127.41,1658.89 1127.41,1677.52 1127.41,1696.15 1139.38,1708.11 1151.34,1720.07 1163.3,1732.03 1175.26,1743.99 1187.22,1755.95 1199.18,1767.91 1211.14,1779.87 1211.2,1779.93 1220.61,1789.69 1230.01,1799.45 1230.1,1799.54 1230.18,1799.63 1230.26,1799.73 1230.32,1799.81 1233.49,1803.84 1248.41,1811.16 v1(1249.63,1808.66) ; v1(1838.42,3200.78) 1839.5,3203.35 1848.08,3199.75 1850.58,3189.41 1853.09,3179.08 1853.09,3164.54 1853.09,3150.01 1853.09,3135.47 1853.09,3120.93 1840.27,3108.11 1825.83,3108.11 1825.7,3108.11 1825.58,3108.1 1825.46,3108.09 1825.34,3108.08 1825.22,3108.07 1825.1,3108.05 1824.98,3108.03 1824.86,3108.01 1824.74,3107.98 1824.62,3107.95 1824.5,3107.92 1824.39,3107.88 1824.27,3107.84 1824.16,3107.8 1824.04,3107.75 1823.93,3107.7 1823.82,3107.65 1823.71,3107.6 1823.6,3107.54 1823.5,3107.48 1823.39,3107.42 1823.29,3107.35 1823.19,3107.29 1823.09,3107.22 1822.99,3107.14 1822.9,3107.07 1822.8,3106.99 1822.71,3106.91 1822.62,3106.82 1822.55,3106.75 1815.67,3099.87 1815.58,3099.79 1815.5,3099.7 1815.42,3099.6 1815.34,3099.51 1815.27,3099.42 1815.2,3099.32 1815.12,3099.22 1815.06,3099.12 1814.99,3099.01 1814.93,3098.91 1814.87,3098.8 1814.81,3098.69 1814.76,3098.58 1814.71,3098.47 1814.66,3098.36 1814.62,3098.25 1814.57,3098.13 1814.54,3098.02 1814.5,3097.9 1814.47,3097.78 1814.44,3097.67 1814.41,3097.55 1814.39,3097.43 1814.37,3097.31 1814.35,3097.19 1814.34,3097.07 1814.32,3096.94 1814.32,3096.82 1814.31,3096.7 1814.31,3096.59 1814.31,3078.29 1814.31,3059.99 1814.31,3041.68 1814.31,3023.38 1814.31,3023.26 1814.32,3023.14 1814.33,3023.01 1814.34,3022.89 1814.35,3022.77 1814.37,3022.65 1814.39,3022.53 1814.41,3022.41 1814.44,3022.29 1814.47,3022.17 1814.5,3022.06 1814.54,3021.94 1814.58,3021.83 1814.62,3021.71 1814.67,3021.6 1814.71,3021.49 1814.77,3021.37 1814.82,3021.27 1814.88,3021.16 1814.94,3021.05 1815,3020.95 1815.07,3020.84 1815.13,3020.74 1815.2,3020.64 1815.28,3020.55 1815.35,3020.45 1815.43,3020.36 1815.51,3020.26 1815.59,3020.18 1815.67,3020.1 1822.95,3012.82 1830.23,3005.54 1830.23,2986.94 1830.23,2968.34 1830.23,2949.74 1830.23,2931.15 1830.23,2912.55 1821.91,2904.23 1813.6,2895.92 1813.52,2895.83 1813.43,2895.74 1813.35,2895.65 1813.27,2895.56 1813.2,2895.46 1813.13,2895.36 1813.06,2895.26 1812.99,2895.16 1812.92,2895.06 1812.86,2894.95 1812.8,2894.85 1812.74,2894.74 1812.69,2894.63 1812.64,2894.52 1812.59,2894.41 1812.55,2894.29 1812.5,2894.18 1812.47,2894.06 1812.43,2893.95 1812.4,2893.83 1812.37,2893.71 1812.35,2893.66 1808.66,2877.27 1808.63,2877.15 1808.61,2877.03 1808.59,2876.91 1808.58,2876.79 1808.56,2876.66 1808.56,2876.54 1808.55,2876.42 1808.55,2876.3 1808.55,2876.25 1808.55,2858.16 1808.55,2840.08 1798.82,2830.35 1798.73,2830.27 1798.65,2830.18 1798.57,2830.09 1798.49,2829.99 1798.42,2829.9 1798.34,2829.8 1798.27,2829.7 1798.21,2829.6 1798.14,2829.49 1798.08,2829.39 1798.02,2829.28 1797.96,2829.17 1797.91,2829.07 1797.86,2828.95 1797.81,2828.84 1797.76,2828.73 1797.72,2828.61 1797.68,2828.5 1797.65,2828.38 1797.62,2828.26 1797.59,2828.15 1797.56,2828.03 1797.54,2827.91 1797.51,2827.79 1797.5,2827.67 1797.48,2827.55 1797.47,2827.42 1797.46,2827.3 1797.46,2827.18 1797.46,2827.07 1797.46,2814.33 1797.46,2801.58 1797.46,2788.83 1797.46,2788.71 1797.47,2788.59 1797.47,2788.47 1797.48,2788.34 1797.5,2788.22 1797.52,2788.1 1797.54,2787.98 1797.56,2787.86 1797.59,2787.74 1797.62,2787.63 1797.65,2787.51 1797.69,2787.39 1797.73,2787.28 1797.77,2787.16 1797.82,2787.05 1797.86,2786.94 1797.91,2786.83 1797.97,2786.72 1798.03,2786.61 1798.09,2786.5 1798.15,2786.4 1798.21,2786.29 1798.28,2786.19 1798.35,2786.09 1798.43,2786 1798.5,2785.9 1798.58,2785.81 1798.66,2785.72 1798.74,2785.63 1798.82,2785.55 1810.47,2773.9 1822.12,2762.25 1833.76,2750.6 1845.41,2738.95 1857.06,2727.31 1868.71,2715.66 1880.36,2704.01 1880.36,2685.01 1880.36,2666.01 1880.36,2647.02 1880.36,2628.02 1880.36,2609.03 1880.36,2590.03 1880.36,2571.03 1880.36,2552.04 1880.36,2533.04 1880.36,2514.04 1880.36,2495.05 1880.36,2476.05 1880.36,2457.05 1880.36,2438.06 1880.36,2419.06 1880.36,2400.06 1880.36,2381.07 1880.36,2362.07 1880.36,2343.07 1880.36,2324.08 1880.36,2305.08 1880.36,2286.08 1880.36,2286 1880.71,2267.37 1881.05,2248.75 1881.4,2230.13 1881.74,2211.5 1876.34,2199.73 1870.93,2187.96 1870.85,2187.96 1870.73,2187.97 1870.61,2187.98 1870.49,2187.98 1870.37,2187.98 1870.25,2187.97 1870.12,2187.97 1870,2187.96 1869.88,2187.94 1869.76,2187.93 1869.64,2187.91 1869.52,2187.88 1869.4,2187.86 1869.28,2187.83 1869.16,2187.79 1869.05,2187.76 1868.93,2187.72 1868.82,2187.68 1868.7,2187.63 1868.59,2187.59 1868.48,2187.53 1868.37,2187.48 1868.26,2187.42 1868.16,2187.37 1868.05,2187.3 1867.95,2187.24 1867.85,2187.17 1867.75,2187.1 1867.65,2187.03 1867.55,2186.95 1867.46,2186.88 1867.37,2186.79 1867.28,2186.71 1867.19,2186.63 1867.11,2186.54 1867.02,2186.45 1866.94,2186.36 1866.86,2186.27 1866.79,2186.17 1866.71,2186.07 1866.64,2185.97 1866.58,2185.87 1866.51,2185.77 1866.45,2185.66 1866.39,2185.56 1866.33,2185.45 1866.28,2185.34 1866.23,2185.23 1866.18,2185.12 1866.13,2185 1866.09,2184.89 1866.05,2184.77 1866.02,2184.66 1865.99,2184.57 1863.43,2175.24 1860.87,2165.91 v1(1858.18,2166.65)